# Altium PCB MCU036A_MSP-EXP430FR2355_PCB.PcbDoc (part 2 of 2)
Units mil, origin at the board's own origin, x right, y up, seen from the top; angles counter-clockwise.
Board outline 2300 x 2900 mil, 4 copper layers (Top Layer, VCC Layer, GND Layer, Bottom Layer), stack 62.4 mil thick; 140 components, 113 nets, 453 pads, 278 vias.
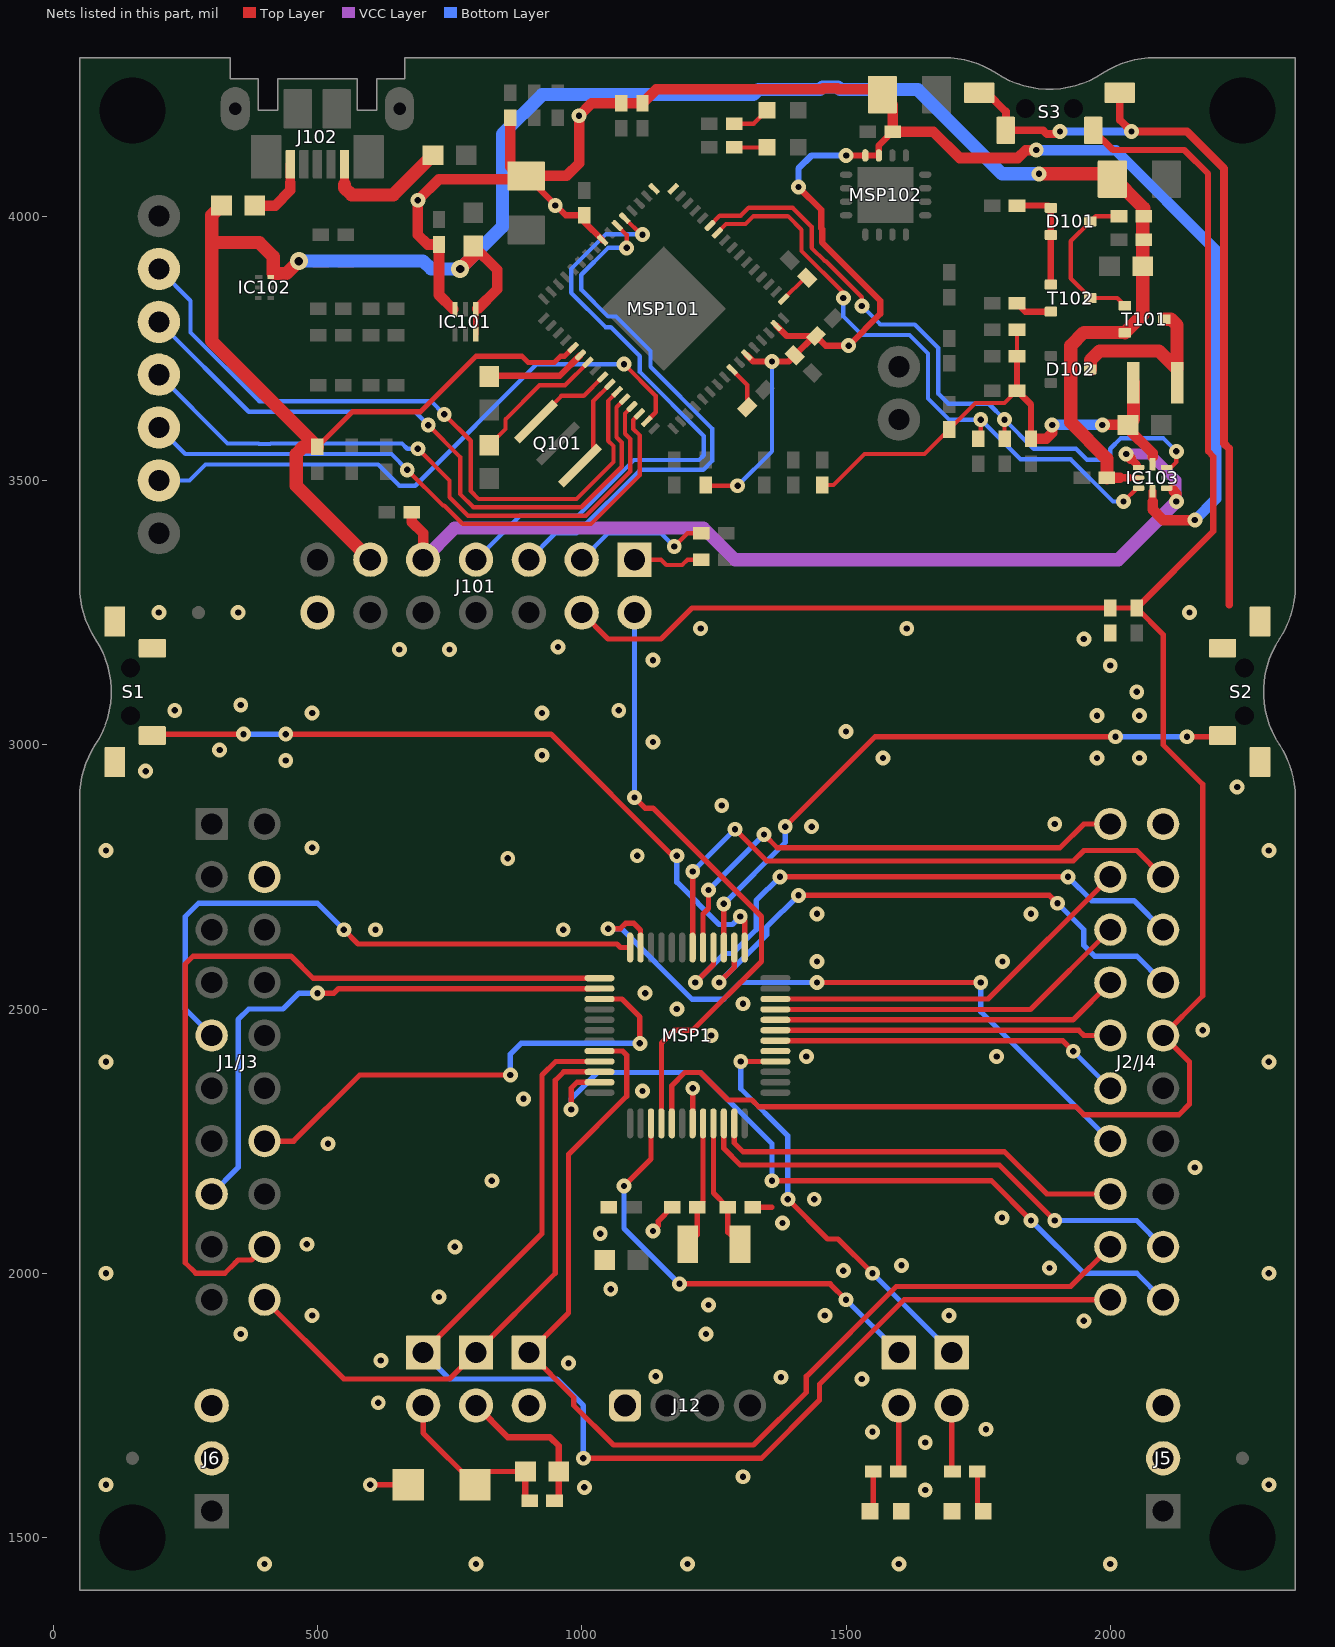
[diagram p4: the nets of this part, all layers, seen from the top]

## Via types
v1: diameter 28, hole 12, Top Layer to Bottom Layer, 275 vias
v2: diameter 34, hole 16, Top Layer to Bottom Layer, 2 vias
v3: diameter 32, hole 16, Top Layer to Bottom Layer, 1 vias

## Nets (pads, with @x,y where several pads share a name; then routed paths per layer and width w, separated by ;. In a path a pad name is that pad's centre, name@x,y a point inside that pad or via, vN(x,y) a via of type N, cw(c..) or ccw(c..) an arc to the next point about the centre after c; other vN are vias at no path point) (continued)
EZFET_TCK: MSP101.63 TP106.1 | length 1144.1
  Top Layer w8: v1(1080,3720) 1140,3660 1140,3629 MSP101.63@1123.01,3612.01
  Bottom Layer w8: TP106.1@200,3500 258,3500 288,3530 615,3530 655,3490 685,3490 915,3720 v1(1080,3720)
EZFET_TDI: MSP101.61 TP104.1 | length 1189
  Top Layer w8: v1(690,3560) 750,3500 750,3468.25 785,3433.25 1008.25,3433.25 1091.75,3516.75 1091.75,3578.25 1081.75,3588.25 1081.75,3626.44 MSP101.61@1095.16,3639.86
  Bottom Layer w8: TP104.1@200,3700 330,3570 388.41,3570 389.28,3569.13 410.72,3569.13 411.59,3570 660,3570 670,3560 v1(690,3560)
EZFET_TDO: MSP101.60 TP103.1 | length 1232.5
  Top Layer w8: v1(709.63,3604.63) 770,3544.27 770,3474.13 795,3449.13 999.13,3449.13 1075.87,3525.87 1075.87,3571.58 1065.87,3581.58 1065.87,3638.41 MSP101.60@1081.24,3653.78
  Bottom Layer w8: TP103.1@200,3800 370,3630 684.27,3630 v1(709.63,3604.63)
EZFET_TEST: MSP101.59 TP102.1 | length 1304
  Top Layer w8: v1(740,3625) 790,3575 790,3480 805,3465 990,3465 1060,3535 1060,3565 1050,3575 1050,3650.39 MSP101.59@1067.32,3667.7
  Bottom Layer w8: TP102.1@200,3900 260,3840 260,3780 390,3650 715,3650 v1(740,3625)
EZFET_TMS: MSP101.62 TP105.1 | length 1149.8
  Top Layer w8: v1(670,3520) 737.62,3452.38 740,3452.38 775,3417.38 1017.38,3417.38 1110,3510 1110,3585 1097.62,3597.38 1097.62,3614.47 MSP101.62@1109.09,3625.93
  Bottom Layer w8: TP105.1@200,3600 250,3550 640,3550 v1(670,3520)
EZFET_UARTCTS: MSP101.32
EZFET_UARTRTS: MSP101.33
EZFET_UARTRXD: J101.5 MSP101.38 | length 1044.5
  Top Layer w8: MSP101.38@1067.31,3982.29 1085,3964.6 v1(1085,3940)
  Bottom Layer w8: J101.5@900,3350 950,3400 990,3400 1110,3520 1230,3520 1246.81,3536.81 1246.81,3598.19 1130,3715 1130,3745 1065,3810 1050,3810 999.13,3860.87 999.13,3889.13 1050,3940 v1(1085,3940)
EZFET_UARTTXD: J101.7 MSP101.37 | length 1191.5
  Top Layer w8: MSP101.37@1081.23,3996.21 v1@1113.72,3963.72 ; v1(1115,3965) v1@1113.72,3963.72 ; v1@1113.72,3963.72 1115,3962.44 1112.44,3962.44 v1@1113.72,3963.72
  Bottom Layer w8: J101.7@800,3350 883.25,3433.25 993.25,3433.25 1098.62,3538.62 1221.97,3538.62 1230.87,3547.53 1230.87,3584.13 1110,3705 1110,3735 1055,3790 1045,3790 980,3855 980,3900 1045.87,3965.87 1114.13,3965.87 v1(1115,3965)
EZFET_V18: C102.2 MSP101.55 | length 262.5
  Top Layer w8: C102.2@825,3566.5 855.57,3597.07 855.57,3615.57 920,3680 968.23,3680 MSP101.55@1011.62,3723.39
EZFET_VBUS: C108.2 C109.1 C117.2 C118.2 C125.2 IC101.1 IC101.6 IC102.6 IC103.2 J101.11 L103.2 MSP101.53 R120.2 R124.1 T101.2 | length 4542.3
  Top Layer w10: R124.1@500,3563.62 566.38,3630 695,3630 800,3735 886.99,3735 898.87,3723.13 948.13,3723.13 960,3735 967.54,3735 MSP101.53@983.78,3751.24 ; IC101.6@799.68,3776.38 IC101.1@799.68,3824.41 ; 2035,3505 IC103.2@2053.43,3505
  Top Layer w15: 2018,3505 2035,3505
  Top Layer w20: C108.2@795,3943.5 840,3898.5 840,3861.61 IC101.1@802.8,3824.41 ; C125.2@1993.62,3505 2018,3505
  Top Layer w25: L103.2@318.5,4020 300,4001.5 300,3950 ; v2(465,3915) 441.37,3891.37 416.44,3891.37 416.44,3923.56 390,3950 300,3950 ; J101.11@600,3350 460,3490 460,3550 473.62,3563.62 R124.1@500,3563.62 300,3763.62 300,3950 ; v2(770,3900) 795,3925 C108.2@795,3943.5 ; v1(1865,4080) 1998.82,4080 2063.62,4015.2 R120.2@2063.62,4000 ; C125.2@1993.62,3505 1993.62,3541.38 1925,3610 1925,3755 1950,3780 T101.2@2027.01,3780 ; T101.2@2027.6,3779.41 2061.5,3813.31 C117.2@2061.5,3905 R120.2@2061.5,4002.13
  Bottom Layer w25: v2(465,3915) 700,3915 715,3900 v2(770,3900) 850,3980 850,4155 925,4230 1325,4230 1334.37,4239.37 1450.76,4239.37 1455.76,4244.37 1484.24,4244.37 1489.24,4239.37 1635.63,4239.37 1795,4080 v1(1865,4080)
EZFET_VCC: C103.2 C104.1 C105.2 C106.1 C113.2 C114.2 C124.2 IC101.3 IC103.4 MSP101.11 MSP101.15 MSP101.40 MSP102.15 MSP102.16 R109.1 R114.1 R116.1 R117.1 | length 4300.1
  Top Layer w8: R109.1@1236.38,3490 v1(1295,3490)
  Top Layer w12: C104.1@895,4076.18 969.8,4001.38 C103.2@1005,4001.38 ; C103.2@1005,3988.92 MSP101.40@1039.47,3954.45 ; MSP101.11@1312.29,3737.31 1324.6,3725 v1(1360,3725) 1391.59,3725 C114.2@1403.3,3736.7 C113.2@1439.89,3773.3 ; MSP101.15@1367.97,3792.99 1387.66,3773.3 C113.2@1439.89,3773.3 ; v1(1410,4055) 1452.87,4012.13 1452.87,3977.13 1455,3975 1455,3950 1565,3840 1565,3815 v1(1505,3755) 1461.59,3755 C113.2@1443.3,3773.3 C113.2@1439.89,3773.3 ; v1(1500.2,4114.8) MSP102.16@1536.61,4114.8 MSP102.15@1562.2,4114.8 1562.2,4133.58 C124.2@1588.62,4160
  Top Layer w15: 2080,3460 IC103.4@2080,3479.41
  Top Layer w20: IC101.3@757.2,3823.62 730,3850.83 C105.2@730,3946.38 708.62,3946.38 690,3965 v1(690,4030) 730,4070 C104.1@888.82,4070 ; R114.1@865,4186.38 865,4093.82 C104.1@888.82,4070 ; v1(1860,4125) 1840,4125 1825,4110 1715,4110 1665,4160 C124.2@1588.62,4160 1588.62,4210.2 C106.1@1568.82,4230 1558.82,4240 1485.08,4240 1483.2,4241.87 1456.8,4241.87 1454.92,4240 1141.38,4240 R116.1@1115,4213.62 R117.1@1075,4213.62 1018.62,4213.62 v1(995,4190) 995,4100 971.18,4076.18 C104.1@895,4076.18 C104.1@888.82,4070 ; 2080,3460 2080,3445 2100,3425 v1(2160,3425)
  Bottom Layer w8: v1(1295,3490) 1360,3555 v1(1360,3725)
  Bottom Layer w12: v1(1410,4055) 1410,4090 1434.8,4114.8 v1(1500.2,4114.8)
  Bottom Layer w20: v1(1860,4125) 2010,4125 2200,3935 2200,3465 v1(2160,3425)
  other v1: 950,4020
EZFET_VCCEN1: IC103.3 MSP101.26 R107.2 | length 1182.1
  Top Layer w8: MSP101.26@1256.61,3968.38 1273.23,3985 1310,3985 1325,4000 1390,4000 1415.87,3974.13 1415.87,3934.13 1495,3855 v1(1495,3845) ; R107.2@1750,3578.62 1755,3583.62 v1(1755,3615) ; v1(2025,3460) 2050,3485 2053.11,3485 IC103.3@2053.43,3485.31
  Bottom Layer w8: v1(1495,3845) 1495,3810 1530,3775 1620,3775 1655,3740 1655,3655 1695,3615 v1(1755,3615) 1830,3540 1925,3540 2005,3460 v1(2025,3460)
EZFET_VCCEN2: IC103.7 MSP101.27 R108.2 | length 1289.7
  Top Layer w8: MSP101.27@1242.68,3982.3 1261.26,4000.87 1300.87,4000.87 1315.87,4015.87 1399.13,4015.87 1435,3980 1435,3940 1460,3915 1461.59,3915 1530,3846.59 v1(1530,3830) ; R108.2@1800,3578.62 v1(1800,3615) ; IC103.7@2106.57,3524.69 2114.68,3524.69 2125,3535 v1(2125,3555)
  Bottom Layer w8: v1(1530,3830) 1565,3795 1630,3795 1674.5,3750.5 1674.5,3664.12 1693.62,3645 1770,3645 v1(1800,3615) 1855,3560 1935,3560 1955.87,3539.13 1989.13,3539.13 2000,3550 2000,3560 2020,3580 2100,3580 v1(2125,3555)
EZFET_VCCOUT: C119.2 C120.2 IC103.8 L101.2 R112.1 R121.1 R126.2 R127.2 R128.1 | length 1041
  Top Layer w8: R121.1@1455,3491.38 1476.38,3491.38 1535,3550 1648.62,3550 R112.1@1695,3596.38 1744.94,3646.31 1799.94,3646.31 R127.2@1823.62,3670 ; R128.1@1823.62,3735 R126.2@1823.62,3785
  Top Layer w10: IC103.8@2080,3530.59 2080,3545
  Top Layer w12: R128.1@1823.62,3735 R127.2@1823.62,3670 1850,3643.62 C120.2@1850,3578.62
  Top Layer w20: C120.2@1850,3578.62 1878.62,3578.62 1890,3590 v1(1890,3605) ; v1(1985,3605) C119.2@2033.5,3605 2033.5,3597.95 2080,3551.46 2080,3545
  Top Layer w25: C119.2@2033.5,3605 2043.66,3615.16 L101.2@2043.66,3685
  Bottom Layer w20: v1(1890,3605) v1(1985,3605)
EZFET_VCCTARGET: C127.1 IC103.1 IC103.5 J101.9 | length 1845.7
  Top Layer w8: IC103.5@2106.57,3485.31 IC103.5@2114.68,3485.31
  Top Layer w12: 2050,3530 IC103.1@2053.43,3526.57 ; IC103.5@2114.68,3485.31 2120,3480
  Top Layer w15: v1@2038.58,3541.42 2050,3530
  Top Layer w20: C127.1@678.62,3440 678.62,3421.38 700,3400 J101.9@700,3350 ; v1(2030,3550) v1@2038.58,3541.42 ; 2120,3480 2125,3475 v1(2125,3460)
  VCC Layer w20: v1(2030,3550) 2075,3550 2125,3500 v1(2125,3460)
  VCC Layer w25: J101.9@700,3350 760,3410 1230,3410 1290,3350 2015,3350 v1(2125,3460)
EZFET_VREF: C121.2 MSP101.9 | length 83.1
  Top Layer w8: MSP101.9@1284.45,3709.47 1313.3,3680.62 C121.2@1313.3,3638.3
EZFET_VUSB: C107.2 MSP101.54 | length 189.6
  Top Layer w12: C107.2@825,3696.5 826.38,3697.87 958.26,3697.87 MSP101.54@997.7,3737.32
GND: C1.2 C2.2 C3.2 C4.2 C5.1 D1.2 J1/J3.22 J2/J4.20 J5.2 J5.3 J6.2 J6.3 J9.2 J12.1 J101.14 LED1.2 LED2.2 MSP1.7 S1.1 S1.2 S1.3 S2.1 S2.2 S2.4 S3.1 S3.2 S3.4 | length 1711.2
  Top Layer w10: v1(600,1600) D1.2@687.01,1600 ; v1(1135,2080) 1145,2090 1145,2098.62 C3.2@1171.38,2125 ; MSP1.7@1209.84,2283.66 v1@1209.84,2349.84 ; C2.2@1323.62,2125 1360,2125
  Top Layer w15: S3.2@1752.13,4233.31 1766.69,4233.31 1802.32,4197.68 S3.4@1802.32,4162.44 1872.56,4162.44 1880,4155 1905,4155 v1(1905,4160) ; S3.1@2017.87,4233.31 2017.87,4182.13 v1(2040,4160) 2145,4160 2215,4090 2215,3570 2225,3560 2225,3265
  Bottom Layer w15: v1(1905,4160) v1(2040,4160)
  other v1: 400,1450 800,1450 1200,1450 1600,1450 2000,1450 1650,1590 1005,1595 100,1600 2300,1600 1305,1615 1650,1680 1550,1700 1765,1705 615,1755 1530,1800 1377.17,1803.15 1140,1805 975,1830 620,1835 355,1885 1235,1885 1950,1910 490,1920 1460,1920 1695,1920 1240,1940 730,1955 1055,1970 100,2000 2300,2000 1495,2005 1885,2010 1605,2015 760,2050 480,2055 1035,2075 1380,2095 1795,2105 1440,2140 830,2175 2160,2200 520,2245 890,2330 1115,2345 1210,2350 100,2400 2300,2400 1425,2410 1785,2410 1245,2450 2175,2460 1180,2500 1305,2510 1120,2530 1445,2590 1796,2590 610,2650 965,2650 1445,2680 1850,2680 860,2785 1105,2790 100,2800 2300,2800 490,2805 1435,2845 1895,2850 1265,2885 2240,2920 175,2950 440,2970 1570,2975 1975,2975 2055,2975 925,2980 315,2990 1135,3005 1500,3025 1975,3055 2055,3055 490,3060 925,3060 230,3065 1070,3065 355,3075 2050,3100 2000,3150 1135,3160 655,3180 750,3180 955,3185 1950,3200 1225,3220 1615,3220 200,3250 350,3250 2150,3250
NetC6_1: C6.1 J8.2 R3.2 | length 283.8
  Top Layer w12: J8.2@800,1750 860,1690 940,1690 956.5,1673.5 R3.2@956.5,1625 C6.1@956.5,1577.87
NetC6_2: C6.2 D1.1 J7.2 R3.1 | length 343.6
  Top Layer w10: J7.2@700,1750 700,1697.99 D1.1@797.99,1600 822.99,1625 R3.1@893.5,1625
  Top Layer w12: C6.2@893.5,1577.87 R3.1@893.5,1625
NetC101_2: C101.2 MSP101.17 | length 61.5
  Top Layer w8: MSP101.17@1381.91,3843.07 1422.14,3883.3 C101.2@1426.7,3883.3
NetD101_1: D101.1 D101.2 R118.1 T102.1 | length 210.8
  Top Layer w12: R118.1@1823.62,4020 1883.19,4020 D101.1@1887.6,4015.59 T102.1@1887.6,3870.59
NetD101_3: D101.3 R120.1 T101.1 T102.3 | length 305.3
  Top Layer w8: R120.1@2016.38,4000 1972.4,4000 D101.3@1962.4,3990 1925,3952.6 1925,3882.4 T102.3@1962.4,3845 2013.19,3845 T101.1@2027.6,3830.59
NetD102_3: D102.3 L101.1 T101.3 | length 314.6
  Top Layer w25: D102.3@1962.4,3710 1962.4,3727.4 1980,3745 2091.93,3745 2126.34,3710.59 2126.34,3793.66 2115,3805 T101.3@2102.4,3805
NetJ10_2: J10.2 R2.2 | length 123.6
  Top Layer w10: R2.2@1600,1626.38 J10.2@1600,1750
NetJ11_2: J11.2 R6.2 | length 123.6
  Top Layer w10: R6.2@1700,1626.38 J11.2@1700,1750
NetJ101_1: J101.1 R129.2 | length 134.7
  Top Layer w8: J101.1@1100,3350 1150,3350 1160,3340 1190,3340 1200,3350 R129.2@1226.38,3350
NetJ101_3: J101.3 R130.2 | length 267.8
  Top Layer w8: v1(1175,3375) 1200,3400 R130.2@1226.38,3400
  Bottom Layer w8: J101.3@1000,3350 1050,3400 1150,3400 v1(1175,3375)
NetJ102_1: J102.1 L103.1 | length 128.6
  Top Layer w17.5: 448.79,4065.06 J102.1@448.82,4098.19
  Top Layer w18: 448.79,4063.64 448.79,4065.06
  Top Layer w20: L103.1@381.5,4020 420,4020 448.79,4048.79 448.79,4063.64
NetJ102_5: J102.5 L102.1 | length 243.2
  Top Layer w17.5: 551.18,4065.39 J102.5@551.18,4098.19
  Top Layer w25: 551.21,4060.11 551.21,4053.79 565,4040 643.5,4040 L102.1@718.5,4115
NetLED1_1: LED1.1 R2.1 | length 69.1
  Top Layer w10: LED1.1@1551.38,1555.91 R2.1@1551.38,1625
NetLED2_1: LED2.1 R6.1 | length 64.1
  Top Layer w10: LED2.1@1748.62,1560.91 R6.1@1748.62,1625
NetLED101_1: LED101.1 R101.1 | length 61.9
  Top Layer w8: R101.1@1288.62,4130 LED101.1@1350.47,4130
NetLED102_1: LED102.1 R102.1 | length 72.2
  Top Layer w8: R102.1@1288.62,4175 1325.47,4175 LED102.1@1350.47,4200
NetMSP101_57: MSP101.57 Q101.1 | length 160.9
  Top Layer w8: Q101.1@913.24,3611.76 961.48,3660 1003.92,3660 MSP101.57@1039.47,3695.55
NetMSP101_58: MSP101.58 Q101.3 | length 176.8
  Top Layer w8: Q101.3@996.76,3528.24 1021.81,3553.3 1021.81,3650.04 MSP101.58@1053.39,3681.62
NetR119_2: R119.2 T102.2 | length 70.4
  Top Layer w12: R119.2@1823.62,3835 1839.21,3819.41 T102.2@1887.6,3819.41
OA2+: J2/J4.32 J9.1 MSP1.44 | length 2048.2
  Top Layer w10: MSP1.44@1033.66,2420.47 1077.48,2420.47 1085,2412.95 1085,2335 975,2225 975,1925 J9.1@900,1850 985,1765 985,1750 1060,1675 1325,1675 1425,1775 1425,1805 1595,1975 1925,1975 J2/J4.32@2000,2050
OA2-: J2/J4.31 J7.1 MSP1.45 | length 2320.8
  Top Layer w10: J7.1@700,1850 925,2075 925,2375 950.79,2400.79 MSP1.45@1033.66,2400.79 ; v1(1003.15,1650) 1340,1650 1450,1760 1450,1790 1610,1950 J2/J4.31@2000,1950
  Bottom Layer w10: J7.1@700,1850 750,1800 953.15,1800 1003.15,1750 v1(1003.15,1650)
OA2O: J1/J3.30 J8.1 MSP1.46 | length 1150.3
  Top Layer w10: J1/J3.30@400,1950 550,1800 750,1800 J8.1@800,1850 950,2000 950,2365 966.1,2381.1 MSP1.46@1033.66,2381.1
OA3O: J1/J3.29 MSP1.37 | length 1551.2
  Top Layer w10: J1/J3.29@400,2050 375,2025 350,2025 345,2020 344.72,2020 324.72,2000 270,2000 250,2020 250,2585 265,2600 450,2600 491.73,2558.27 MSP1.37@1033.66,2558.27
P1.0: J10.1 MSP1.3 | length 837.2
  Top Layer w10: v1(1080,2165) 1131.1,2216.1 MSP1.3@1131.1,2283.66 ; v1(1185,1980) 1470,1980 v1(1500,1950)
  Bottom Layer w10: v1(1080,2165) 1080,2085 v1(1185,1980) ; v1(1500,1950) J10.1@1600,1850
P2.0: J2/J4.19 MSP1.30 | length 1120.7
  Top Layer w10: MSP1.30@1209.84,2616.34 1209.84,2729.84 1210,2730 v1(1210,2760) ; v1(1290,2840) 1350,2780 1930,2780 1950,2800 2050,2800 J2/J4.19@2100,2750
  Bottom Layer w10: v1(1210,2760) v1(1290,2840)
P2.1: J2/J4.40 MSP1.29 | length 945.5
  Top Layer w10: MSP1.29@1229.53,2616.34 1229.53,2680 1240,2690.47 v1(1240,2725) ; v1(1345,2830) 1370,2805 1905,2805 1950,2850 J2/J4.40@2000,2850
  Bottom Layer w10: v1(1240,2725) v1(1345,2830)
P2.2: J2/J4.18 MSP1.28 | length 1122
  Top Layer w10: v1(1215,2550) 1249.21,2584.21 MSP1.28@1249.21,2616.34 ; v1(1375,2750) v1(1920,2750)
  Bottom Layer w10: v1(1215,2550) 1270,2605 1285,2605 1330,2650 1330,2705 v1(1375,2750) ; v1(1920,2750) 1965,2705 2045,2705 J2/J4.18@2100,2650
P2.3: MSP1.27 S2.3 | length 1173.6
  Top Layer w10: v1(1268.9,2698.9) MSP1.27@1268.9,2616.34 MSP1.27@1269.8,2617.24 ; v1(1385,2845) 1555,3015 v1(2010,3015) ; v1(2145,3015) S2.3@2210.12,3015
  Bottom Layer w10: v1(1268.9,2698.9) 1385,2815 v1(1385,2845) ; v1(2010,3015) v1(2145,3015)
P2.4: J2/J4.33 MSP1.11 | length 788.6
  Top Layer w10: MSP1.11@1288.58,2283.66 1288.58,2246.42 1305,2230 1800,2230 1880,2150 J2/J4.33@2000,2150
P2.5: J2/J4.12 MSP1.10 | length 955.7
  Top Layer w10: MSP1.10@1268.9,2283.66 1268.9,2236.1 1300,2205 1790,2205 v1(1895,2100)
  Bottom Layer w10: v1(1895,2100) 2050,2100 J2/J4.12@2100,2050
P2.6: C2.1 MSP1.9 Q1.2 | length 249.4
  Top Layer w10: MSP1.9@1249.21,2283.66 1249.21,2152.17 C2.1@1276.38,2125 1276.38,2077.83 Q1.2@1299.21,2055
P2.7: C3.1 MSP1.8 Q1.1 | length 240.6
  Top Layer w10: Q1.1@1200.79,2055 1218.62,2072.83 C3.1@1218.62,2125 1229.53,2135.91 MSP1.8@1229.53,2283.66
P3.0: J2/J4.11 MSP1.47 | length 1478.2
  Top Layer w10: v1(980,2310) 980,2350 991.42,2361.42 MSP1.47@1033.66,2361.42 ; v1(1360,2175) 1775,2175 v1(1850,2100)
  Bottom Layer w10: v1(980,2310) 980,2330 1030,2380 1225,2380 1360,2245 v1(1360,2175) ; v1(1850,2100) 1950,2000 2050,2000 J2/J4.11@2100,1950
P3.4: J1/J3.8 MSP1.38 | length 1058.6
  Top Layer w10: v1(500,2530) 531.42,2530 540,2538.58 MSP1.38@1033.66,2538.58
  Bottom Layer w10: J1/J3.8@300,2150 350,2200 350,2480 370,2500 435,2500 465,2530 v1(500,2530)
P3.6: J1/J3.5 MSP1.36 | length 1132.5
  Top Layer w10: v1(550,2650) 576.87,2623.13 1066.87,2623.13 1073.66,2616.34 MSP1.36@1091.73,2616.34
  Bottom Layer w10: J1/J3.5@300,2450 250,2500 250,2675 275,2700 500,2700 v1(550,2650)
P3.7: J2/J4.34 MSP1.35 | length 1281.6
  Top Layer w10: v1@1048,2650 v1(1050,2652) 1073,2652 1083,2662 1099,2662 1111.42,2649.58 MSP1.35@1111.42,2616.34 ; v1(1445,2550) v1(1755,2550)
  Bottom Layer w10: v1(1050,2652) 1074.99,2652 1208.49,2518.5 1268.5,2518.5 1300,2550 v1(1445,2550) ; v1(1755,2550) 1755,2495 J2/J4.34@2000,2250
P4.0: J2/J4.17 MSP1.26 | length 1081.2
  Top Layer w10: v1(1260,2550) 1288.58,2578.58 MSP1.26@1288.58,2616.34 ; v1(1410,2715) 1885,2715 v1(1900,2700)
  Bottom Layer w10: v1(1260,2550) 1349.86,2639.86 1349.86,2654.86 v1(1410,2715) ; v1(1900,2700) 1950,2650 1950,2620 1970,2600 2050,2600 J2/J4.17@2100,2550
P4.1: MSP1.25 S1.4 | length 1360.3
  Top Layer w10: S1.4@187.56,3017.32 190.24,3020 v1(360,3020) ; v1(440,3020) 941.99,3020 1171.99,2790 v1(1180,2790) ; v1(1300,2675) 1308.27,2666.73 MSP1.25@1308.27,2616.34
  Bottom Layer w10: v1(360,3020) v1(440,3020) ; v1(1180,2790) 1180,2740 1260,2660 1285,2660 v1(1300,2675)
P5.4: J1/J3.27 MSP1.39 | length 955.4
  Top Layer w10: J1/J3.27@400,2250 455,2250 580,2375 v1(865,2375) ; MSP1.39@1033.66,2518.9 1076.1,2518.9 1110,2485 v1(1110,2435) v1@1110,2430
  Bottom Layer w10: v1(865,2375) 865,2415 885,2435 v1(1110,2435)
P6.0: J2/J4.39 MSP1.22 | length 729.4
  Top Layer w10: MSP1.22@1366.34,2518.9 1768.9,2518.9 J2/J4.39@2000,2750
P6.1: J2/J4.38 MSP1.21 | length 696.1
  Top Layer w10: MSP1.21@1366.34,2499.21 1849.21,2499.21 J2/J4.38@2000,2650
P6.2: J2/J4.37 MSP1.20 | length 662.9
  Top Layer w10: MSP1.20@1366.34,2479.53 1929.53,2479.53 J2/J4.37@2000,2550
P6.3: J2/J4.36 MSP1.19 | length 637.7
  Top Layer w10: MSP1.19@1366.34,2459.84 1940.16,2459.84 1950,2450 J2/J4.36@2000,2450
P6.4: J2/J4.35 MSP1.18 | length 671
  Top Layer w10: MSP1.18@1366.34,2440.16 1909.84,2440.16 v1(1930,2420)
  Bottom Layer w10: v1(1930,2420) J2/J4.35@2000,2350
P6.5: MSP1.17
P6.6: J11.1 MSP1.16 | length 793.4
  Top Layer w10: v1(1300.79,2400.79) MSP1.16@1366.34,2400.79 ; v1(1390,2140) 1465,2065 1485,2065 v1(1550,2000)
  Bottom Layer w10: v1(1300.79,2400.79) 1300.79,2349.21 1390,2260 v1(1390,2140) ; v1(1550,2000) J11.1@1700,1850
R\S\T\: C1.1 J2/J4.16 J101.4 MSP1.5 R1.1 S3.3 | length 4377.1
  Top Layer w10: J101.4@1000,3250 1050,3200 1150,3200 1208.62,3258.62 C1.1@2000,3258.62 R1.1@2050,3258.62 2100,3208.62 2100,3000 2175,2925 2175,2525 J2/J4.16@2100,2450 2150,2400 2150,2320 2130,2300 1950,2300 1935,2315 1335,2315 1322.05,2327.95 1277.05,2327.95 1225,2380 1195,2380 1170.47,2355.47 MSP1.5@1170.47,2283.66
  Top Layer w12: S3.3@1967.68,4162.44 2005.12,4125 2140,4125 2185,4080 2185,3555 2195,3545 2195,3403.62 R1.1@2050,3258.62
SBWTCK: J101.2 MSP1.4 | length 1173.4
  Top Layer w10: v1(1100,2900) 1120,2880 1135,2880 1340,2675 1340,2590 1210,2460 1175,2460 1150.79,2435.79 MSP1.4@1150.79,2283.66
  Bottom Layer w10: v1(1100,2900) J101.2@1100,3250
pads on no net: FID1.1 FID2.1 FID3.1 IC101.4 IC101.5 IC102.2 J102.4 MH1.1 MH2.1 MH3.1 MH4.1 MSP101.3 MSP101.4 MSP101.10 MSP101.12 MSP101.13 MSP101.18 MSP101.19 MSP101.22 MSP101.23 MSP101.24 MSP101.25 MSP101.29 MSP101.30 MSP101.31 MSP101.36 MSP101.41 MSP101.42 MSP101.46 MSP101.47 MSP101.48 MSP101.65@1077.61,3825 MSP101.65@1116.3,3786.3 MSP101.65@1116.3,3863.7 MSP101.65@1155,3747.61 MSP101.65@1155,3825 MSP101.65@1155,3902.39 MSP101.65@1193.7,3786.3 MSP101.65@1193.7,3863.7 MSP101.65@1232.39,3825 S1. S2. S3. SH-J7.0 SH-J8.0 SH-J9.0 SH-J10.0 SH-J11.0 SH-J101-1.0 SH-J101-2.0 SH-J101-3.0 SH-J101-4.0 SH-J101-5.0 SH-J101-6.0 SH-J101-7.0
copper on no net:
  other v1: 890,3890 955,3955

## Polygon pours and split planes (outlines as drawn)
EZ_GND on GND Layer "EZ_GND-GND" (solid, remove dead copper, pour order 0): 50,4300 2350,4300 2350,3310 50,3310
GND on GND Layer "GND-GND" (solid, remove dead copper, pour order 10): 50,3290 2350,3290 2350,1400 50,1400
EZ_GND on Bottom Layer "EZ_GND-BOT" (solid, remove dead copper, pour order 4): 50,4300 2350,4300 2350,3310 50,3310
GND on Bottom Layer "GND-BOT" (solid, remove dead copper, pour order 17): 50,3290 2350,3290 2350,1400 50,1400
EZFET_VCC on VCC Layer "EZFET_VCC-VCC" (solid, remove dead copper, pour order 5): 50,4300 2350,4300 2350,3310 50,3310
3V3 on VCC Layer "3V3-VCC" (solid, remove dead copper, pour order 12): 50,3290 2350,3290 2350,1400 50,1400
EZ_GND on Top Layer "EZ_GND_USB_CONNECTION" (solid, remove dead copper, pour order 8): 695,4280 695,4150 750,4095 840,4095 840,4280
GND on Top Layer "GND-TOP" (solid, remove dead copper, pour order 16): 50,3290 2350,3290 2350,1400 50,1400

## Keep-outs
Keep-Out Layer:
  text ".Layer_Name" at 577,-858.49 h60

## Other copper
Top Layer:
  pour cut-out: 1030,3730 1075,3685 1075,3680 1050,3655 1050,3550 970,3470 850,3590 940,3680 980,3680
  pour cut-out: 1220,2315 1220,2225 1145,2150 1145,2045 1180,2010 1320,2010 1355,2045 1355,2145 1350,2150 1260,2240 1260,2315
  text ".Layer_Name" at 577,-858.49 h60
VCC Layer:
  pour cut-out: 1030,3730 1075,3685 1075,3680 1050,3655 1050,3550 970,3470 850,3590 940,3680 980,3680
  pour cut-out: 1220,2315 1220,2225 1145,2150 1145,2045 1180,2010 1320,2010 1355,2045 1355,2145 1350,2150 1260,2240 1260,2315
  text "MP" at 1880,2220 h40
  text ".Layer_Name" at 577,-858.49 h60
GND Layer:
  pour cut-out: 1030,3730 1075,3685 1075,3680 1050,3655 1050,3550 970,3470 850,3590 940,3680 980,3680
  pour cut-out: 1220,2315 1220,2225 1145,2150 1145,2045 1180,2010 1320,2010 1355,2045 1355,2145 1350,2150 1260,2240 1260,2315
  pour cut-out: 1861,2278.99 1861,2201 1965.65,2201 1965.64,2201 1965.64,2278.99
  text ".Layer_Name" at 577,-858.49 h60
Bottom Layer:
  pour cut-out: 1030,3730 1075,3685 1075,3680 1050,3655 1050,3550 970,3470 850,3590 940,3680 980,3680
  pour cut-out: 1220,2315 1220,2225 1145,2150 1145,2045 1180,2010 1320,2010 1355,2045 1355,2145 1350,2150 1260,2240 1260,2315
  text ".Layer_Name" at 577,-858.49 h60

## Silkscreen, mask and mechanical layers (free items; w line width, h text height)
Top Overlay:
  lines w10: 50,3300 150,3300 ; 250,3300 350,3300 ; 450,3300 550,3300 ; 600,1450 600,1500 ; 600,1550 600,1600 ; 600,1650 600,1700 ; 600,1750 600,1800 650,1800 ; 650,3300 750,3300 ; 850,3300 950,3300 ; 950,1800 1000,1800 ; 1050,3300 1150,3300 ; 1250,3300 1350,3300 ; 1450,3300 1550,3300 ; 1500,1450 1500,1500 ; 1500,1550 1500,1600 ; 1500,1650 1500,1700 ; 1500,1750 1500,1800 1550,1800 ; 1650,3300 1750,3300 ; 1750,1800 1800,1800 1800,1750 ; 1800,1450 1800,1500 ; 1800,1550 1800,1600 ; 1800,1650 1800,1700 ; 1850,3300 1950,3300 ; 2050,3300 2150,3300 ; 2250,3300 2350,3300
  text "MSP RST" at 1745,4090 h35
  text "'.PRJ_Number''.PCB_Rev'" at 2335,3905 h30 r90
  text "eZ-FET Debug Probe" at 1315,3330 h40
  text "Rev1.4" at 2045,3330 h30
  text "MSP-EXP430FR2355" at 2280,3320 h50 r90
  text "PCB Rev. .PCB_Rev" at 2334.71,3319.67 h30 r90
  text "P4.1" at 215,3080 h40
  text "P2.3" at 2045,3080 h40
  text "P2.1" at 1795,2830 h40
  text "P1.5" at 95,2730 h40
  text "P6.0" at 1795,2730 h40
  text "P2.0" at 2165,2730 h40
  text "P1.6" at 95,2630 h40
  text "P1.4" at 465,2630 h40
  text "P6.1" at 1795,2630 h40
  text "P2.2" at 2165,2630 h40
  text "P1.7" at 95,2530 h40
  text "P5.3" at 465,2530 h40
  text "P6.2" at 1795,2530 h40
  text "P4.0" at 2165,2530 h40
  text "P3.6" at 95,2430 h40
  text "P5.1" at 465,2430 h40
  text "P6.3" at 1795,2430 h40
  text "RST" at 2165,2430 h40
  text "P5.2" at 95,2330 h40
  text "P5.0" at 465,2330 h40
  text "P6.4" at 1795,2330 h40
  text "P4.6" at 2165,2330 h40
  text "P4.5" at 95,2230 h40
  text "P5.4" at 465,2230 h40
  text "P3.7" at 1795,2230 h40
  text "P4.7" at 2165,2230 h40
  text "P3.4" at 95,2130 h40
  text "P1.1" at 465,2130 h40
  text "P2.4" at 1795,2130 h40
  text "P4.4" at 2165,2130 h40
  text "P1.3" at 95,2030 h40
  text "P3.5" at 465,2030 h40
  text "P3.3" at 1795,2030 h40
  text "P2.5" at 2165,2030 h40
  text "P1.2" at 95,1930 h40
  text "P3.1" at 465,1930 h40
  text "P3.2" at 1795,1930 h40
  text "P3.0" at 2165,1930 h40
  text "P3.2" at 670,1915 h40 r45
  text "P3.1" at 770,1915 h40 r45
  text "P3.3" at 870,1915 h40 r45
  text "P1.0" at 1570,1915 h40 r45
  text "P6.6" at 1670,1915 h40 r45
  text "GND" at 1051.89,1815 h40 r45
  text "3.3V" at 1130.63,1815 h40 r45
  text "P1.4" at 1209.37,1815 h40 r45
  text "P1.1" at 1288.11,1815 h40 r45
  text "Light Sensor / Circuit" at 630,1415 h30
  text ".Layer_Name" at 577,-858.49 h60
Bottom Overlay:
  drawing of 4563 lines, arcs and shapes, not listed
  text "P2.1" at 1935,2830 h40
  text "P1.5" at 235,2730 h40
  text "P6.0" at 1935,2730 h40
  text "P2.0" at 2305,2730 h40
  text "P1.6" at 235,2630 h40
  text "P1.4" at 605,2630 h40
  text "P6.1" at 1935,2630 h40
  text "P2.2" at 2305,2630 h40
  text "P1.7" at 235,2530 h40
  text "P5.3" at 605,2530 h40
  text "P6.2" at 1935,2530 h40
  text "P4.0" at 2305,2530 h40
  text "P3.6" at 235,2430 h40
  text "P5.1" at 605,2430 h40
  text "P6.3" at 1935,2430 h40
  text "RST" at 2275,2430 h40
  text "P5.2" at 235,2330 h40
  text "P5.0" at 605,2330 h40
  text "P6.4" at 1935,2330 h40
  text "P4.6" at 2305,2330 h40
  text "P4.5" at 235,2230 h40
  text "P5.4" at 605,2230 h40
  text "P3.7" at 1935,2230 h40
  text "P4.7" at 2305,2230 h40
  text "P3.4" at 235,2130 h40
  text "P1.1" at 605,2130 h40
  text "P2.4" at 1935,2130 h40
  text "P4.4" at 2305,2130 h40
  text "P1.3" at 235,2030 h40
  text "P3.5" at 605,2030 h40
  text "P3.3" at 1935,2030 h40
  text "P2.5" at 2305,2030 h40
  text "P1.2" at 235,1930 h40
  text "P3.1" at 605,1930 h40
  text "P3.2" at 1935,1930 h40
  text "P3.0" at 2305,1930 h40
  text ".Layer_Name" at 577,-858.49 h60
Top Paste:
  text ".Layer_Name" at 577,-858.49 h60
Bottom Paste:
  text ".Layer_Name" at 577,-858.49 h60
Top Solder:
  text ".Layer_Name" at 577,-858.49 h60
  text ".Layer_Name" at 577,-858.49 h60
Bottom Solder:
  text ".Layer_Name" at 577,-858.49 h60
Drill Guide:
  text ".Layer_Name" at 577,-858.49 h60
M1 Board Outline:
  the board outline again, w10
  text ".Layer_Name" at 577,-858.49 h60
M2 Board Dimensions:
  rectangle: 125,-400 500,-275
  rectangle: 0,-275 125,-150
  lines w7: 0,-275 1000,-275 ; 125,-400 125,-150 ; 250,-400 250,-150 ; 500,-400 500,-150 ; 750,-400 750,-150 ; 0,-400 0,-150 1000,-150 1000,-400 0,-400
  lines w10: 1761,4303.98 1761,4361.98 1967,4567.98 2037.5,4567.98 ; 1885,4265.98 1885,4383.98 1969,4467.98 2045,4467.98 ; 2005,4303.98 2005,4357.98 2030,4382.98 2045,4382.98 ; 2030,4567.98 2045,4567.98 ; 2400,4302.98 2425,4327.98 2425,4617.98 2400,4642.98
  text "Radius 180" at 2065,4542.98 h72.83
  text "Radius 180" at 2065,4447.98 h72.83
  text "3 Places" at 2450,4447.98 h72.83
  text "Radius 180" at 2065,4357.98 h72.83
  text ".Layer_Name" at 577,-858.49 h60
M3 3D STEP Top:
  text ".Layer_Name" at 577,-858.49 h60
M4 3D STEP Bottom:
  text ".Layer_Name" at 577,-858.49 h60
M5 Assembly Top:
  lines w10: -292,-930.17 6308,-930.17 ; -292,-726.83 6310,-726.83 ; -292,-523.5 -292,-1133.5 3713,-1133.5 6310,-1133.5 6310,-523.5 -291.5,-523.5 -291.5,-1133.5 1284,-1133.5 ; 2173,-1133.5 2173,-523.5 ; 3440,-726.83 3440,-523.5 ; 4280,-726.83 4280,-523.5 ; 4902,-1140 4902,-937.17
  text "COMPONENTS MARKED 'DNP' SHOULD NOT BE POPULATED." at 1153.5,-318.5 h60
  text "ASSEMBLY VARIANT:" at 1153,-434 h60
  text ".VariantName" at 2189,-434 h60
  text "PCB VIEWED FROM TOP SIDE" at -228.5,-655.67 h60
  text "BOARD #:" at 2248,-655.67 h60
  text ".PRJ_Number" at 2793.5,-655.67 h60
  text "REV:" at 3638,-655.67 h60
  text ".PCB_Rev" at 3929.5,-655.67 h60
  text "SVN REV:" at 4476,-655.67 h60
  text ".VersionControl_RevNumber" at 4982,-655.67 h60
  text "TID #:" at 2248,-859 h60
  text ".TID" at 2793.5,-859 h60
  text "PLOT NAME =" at -228.5,-1064.34 h60
  text ".plot_File_Name" at 577,-1064.34 h60
  text "GENERATED    :" at 2250,-1064.34 h60
  text ".Print_Date" at 3119.5,-1064.34 h60
  text ".Print_Time" at 3848.5,-1064.34 h60
  text "TEXAS INSTRUMENTS" at 5113,-1064.34 h60
M6 Assembly Bottom:
  lines w10: -292.5,-727.33 6309.5,-727.33 ; -290.5,-930.67 6309.5,-930.67 ; 1115.5,-1140.5 1115.5,-937.67 ; 1737.5,-727.33 1737.5,-524 ; 2577.5,-727.33 2577.5,-524 ; 3844.5,-1134 3844.5,-524 ; 4733.5,-1134 6309,-1134 6309,-524 -292.5,-524 -292.5,-1134 2304.5,-1134 6309.5,-1134 6309.5,-524
  text "COMPONENTS MARKED 'DNP' SHOULD NOT BE POPULATED." at 6102,-318 h60
  text ".VariantName" at 5058,-434 h60
  text "ASSEMBLY VARIANT:" at 6097,-434 h60
  text ".VersionControl_RevNumber" at 1035.5,-656.17 h60
  text "SVN REV:" at 1541.5,-656.17 h60
  text ".PCB_Rev" at 2088,-656.17 h60
  text "REV:" at 2379.5,-656.17 h60
  text ".PRJ_Number" at 3224,-656.17 h60
  text "BOARD #:" at 3769.5,-656.17 h60
  text "PCB VIEWED FROM BOTTOM SIDE" at 6246,-656.17 h60
  text ".TID" at 3224,-859.5 h60
  text "TID #:" at 3769.5,-859.5 h60
  text "TEXAS INSTRUMENTS" at 904.5,-1064.84 h60
  text ".Print_Time" at 2169,-1064.84 h60
  text ".Print_Date" at 2898,-1064.84 h60
  text "GENERATED    :" at 3767.5,-1064.84 h60
  text ".plot_File_Name" at 5440.5,-1064.84 h60
  text "PLOT NAME =" at 6246,-1064.84 h60
M9 Title Sheet:
  drawing of 57 lines, arcs and shapes, not listed
  text "1" at 739.84,8036.5 h70
  text "2" at 3235.5,8036.5 h70
  text "3" at 5724.84,8036.5 h70
  text "4" at 8231.51,8036.5 h70
  text "5" at 10730.5,8036.5 h70
  text "6" at 13235.5,8036.5 h70
  text "A" at -416.5,6893.5 h70
  text "A" at 14383.5,6893.5 h70
  text "B" at -416.5,4513.5 h70
  text "B" at 14383.5,4513.5 h70
  text "C" at -416.5,2138.5 h70
  text "C" at 14383.5,2138.5 h70
  text "PROJECT TITLE:" at 11343.5,277.5 h45
  text ".PRJ_Title" at 11393.5,144.17 h70
  text "DESIGNED FOR:" at 11343.5,-23.5 h45
  text ".PRJ_Customer" at 11393.5,-163.5 h70
  text "D" at -416.5,-231.5 h70
  text "D" at 14383.5,-231.5 h70
  text "FILE NAME:" at 11343.5,-323.5 h45
  text ".PCB_File_Name_No_Path" at 11393.5,-443.5 h70
  text "Texas Instruments (TI) and/or its licensors do not warrant the accuracy or completeness of this specification" at 6374,-605.34 h45
  text "ENGINEER:" at 11343.5,-613.5 h45
  text "LAYOUT BY:" at 12848.5,-613.5 h45
  text "or any information contained therein. TI and/or its licensors do not warrant that this design will meet" at 6329.01,-718 h45
  text ".PRJ_Engineer" at 11393.5,-768.49 h70
  text ".PCB_Layout" at 12899,-768.49 h70
  text "the specifications, will be suitable for your application or fit for any particular purpose, or will operate in" at 6329.01,-830.67 h45
  text ".Layer_Name" at 577,-858.49 h60
  text "ALTIUM DESIGNER VERSION:" at 12848.5,-923.5 h45
  text "an implementation. TI and/or its licensors do not warrant that the design is production worthy. You should" at 6329.01,-943.33 h45
  text "completely validate and test your design implementation to confirm the system functionality for your application." at 6374,-1056 h45
  text ".print_Scale" at 11393.5,-1056.83 h70
  text ".Application_BuildNumber" at 12899,-1056.83 h70
  text "1" at 739.84,-1263.5 h70
  text "2" at 3235.5,-1263.5 h70
  text "3" at 5724.84,-1263.5 h70
  text "4" at 8231.51,-1263.5 h70
  text "5" at 10730.5,-1263.5 h70
  text "6" at 13235.5,-1263.5 h70
M10 Fab Notes:
  drawing of 173 lines, arcs and shapes, not listed
  text "DESIGN INFORMATION" at 12378.02,6201 h60
  text "MIN. TRACK WIDTH:" at 11733.46,6021 h60
  text "8" at 12829.7,6021 h60
  text "MIL" at 12984.46,6021 h60
  text "MIN. CLEARANCE:" at 11733.46,5889 h60
  text "0.2" at 12769.7,5889 h60
  text "mm" at 12984.46,5889 h60
  text "MIN. VIA PAD SIZE:" at 11733.46,5757 h60
  text "24" at 12799.71,5757 h60
  text "MIL" at 12984.46,5757 h60
  text "0.05mm (2MIL)" at 12428.46,5615.29 h60
  text "MINIMUM ANNULAR RING" at 11404.23,5611 h60
  text "EXTERNAL" at 13136.46,5611 h60
  text "PER" at 11604.23,5493 h60
  text "IPC-D-275 CLASS 2 LEVEL C" at 11824.23,5493 h60
  text "MIL, HOLES" at 13312.46,5380.71 h60
  text "+/-" at 12920,5380 h60
  text "+/-" at 13774,5380 h60
  text "REGISTRATION TOLERANCES:" at 11404.23,5375 h60
  text "METAL" at 12604,5375 h60
  text "5" at 13180.2,5375 h60
  text "3" at 14013.2,5375 h60
  text "MIL" at 14129.46,5375 h60
  text "+/-" at 13774,5262 h60
  text "HOLE SIZE TOLERANCE (UNLESS OTHERWISE SPECIFIED):" at 11404.23,5257 h60
  text "3" at 14013.2,5257 h60
  text "MIL" at 14129.46,5257 h60
  text "MATERIAL:" at 11329.46,5047.54 h60
  text "FR-4 High Tg" at 12315.9,4907.21 h60
  text "FR-408" at 11750.46,4898.64 h60
  text "OTHER" at 13238.46,4898.64 h60
  text "X" at 12161,4895 h60
  text "62 MIL (1.6mm) +/-10%" at 12070.56,4735.92 h60
  text "THICKNESS:" at 11404.23,4731.64 h60
  text "X" at 11942.4,4731.64 h60
  text "OTHER" at 13355.46,4731.64 h60
  text "TOLERANCE:" at 11404.23,4573.64 h60
  text "X" at 12243.53,4573.64 h60
  text "ANSI IPC-6012 TYPE 3 CLASS 2" at 12430.48,4573.64 h60
  text "OTHER +/-" at 12430.46,4417.64 h60
  text "BOW & TWIST:" at 11404.23,4260.64 h60
  text "X" at 12243.53,4260.64 h60
  text "ANSI IPC-6012 TYPE 3 CLASS 2" at 12430.48,4260.64 h60
  text "OTHER +/-" at 12430.46,4102.13 h60
  text "DRILLING:" at 11329.46,3963.64 h60
  text "REFERENCE:" at 11404.23,3846.64 h60
  text "X" at 12052.46,3846.64 h60
  text "AS SHOWN" at 12239.46,3846.64 h60
  text "X" at 12953.46,3846.64 h60
  text "NC_DRILL FILES" at 13090.46,3846.64 h60
  text "PTH COPPER THICKNESS:" at 11404.23,3688.64 h60
  text "X" at 12534.46,3688.64 h60
  text "20-30 um" at 12671.46,3688.64 h60
  text "OTHER" at 13388.46,3688.64 h60
  text "BOARD FINISH:" at 11329.46,3529.64 h60
  text "SILKSCREEN:" at 11484.68,3411.64 h60
  text "X" at 12433.46,3411.64 h60
  text "TOP" at 12559.46,3411.64 h60
  text "X" at 12943.46,3411.64 h60
  text "BOTTOM" at 13070.46,3411.64 h60
  text "SILKSCREEN COLOR:" at 11484.68,3244.64 h60
  text "X" at 12432.42,3244.64 h60
  text "WHITE" at 12559.46,3244.64 h60
  text "OTHER" at 13070.46,3244.64 h60
  text "GREEN" at 12690.46,3085.44 h60
  text "X" at 13155,3085 h60
  text "OTHER" at 13308.46,3085.44 h60
  text "Red" at 13705,3085 h60
  text "SOLDER RESIST COLOR:" at 11484.68,3074.64 h60
  text "X" at 12563.42,2915.44 h60
  text "MATTE" at 12690.46,2915.44 h60
  text "SEMI-GLOSS" at 13308,2914.8 h60
  text "IMMERSION GOLD (ENIG)" at 12390.46,2726.92 h60
  text "ENEPIG" at 13728,2723.64 h60
  text "SURFACE FINISH:" at 11329.46,2722.64 h60
  text "IMM. TIN/SILVER OR EQUIV" at 11659,2565.64 h60
  text "OTHER" at 13090.46,2565.64 h60
  text "X" at 11495,2565 h60
  text "ARRAY/PANEL:" at 11329.46,2386.64 h60
  text "CUT AND TRIM PER M1 BOARD OUTLINE" at 12390.46,2382.35 h60
  text "N.C. ROUTE" at 12390.46,2230.64 h60
  text "X" at 13069.46,2230.64 h60
  text "V. SCORE" at 13256.46,2230.64 h60
  text "CERTIFICATION:" at 11329.46,2093.64 h60
  text "MATERIALS AND WORKMANSHIP FOR ALL PCBS" at 12054.46,2093.64 h60
  text "TO MEET OR EXCEED THE REQUIREMENTS OF:" at 12054.46,1995.64 h60
  text "X" at 11680.96,1859.13 h60
  text "ANSI IPC-A-600F CLASS ->" at 11819.96,1859.13 h60
  text "X" at 13459.02,1859.13 h60
  text "2" at 13577.96,1859.14 h60
  text "1" at 13262.96,1857.64 h60
  text "3" at 13931.96,1857.64 h60
  text "X" at 12495.02,1699.64 h60
  text "RoHS" at 12631.96,1699.64 h60
  text "OTHER" at 13276.36,1699.64 h60
  text "PER ORDER" at 13673.42,1699.64 h60
  text "ALL BOARDS MUST MEET OR EXCEED UL94-V0 REQUIREMENTS." at 11357,1534 h60
  text "PCB MUST BEAR THE UL94V-0 UL REGISTERED MATERIAL ID NUMBER" at 11357,1414 h60
  text "ADDITIONAL REQUIREMENTS:" at 11329.46,1240.64 h60
  text "MICROSECTION:" at 11404.23,1125.64 h60
  text "YES" at 12309.96,1125.64 h60
  text "X" at 13635,970 h60
  text "REQUIRED" at 13171.46,969.49 h60
  text "BARE BOARD ELEC. TEST:" at 11404.23,966.64 h60
  text "NONE" at 12709.96,966.64 h60
  text "PER ORDER" at 13763.46,966.64 h60
  text ".Layer_Name" at 577,-858.49 h60
M11 Gerber Information:
  lines w10: -292,-930.17 6308,-930.17 ; -292,-726.83 6310,-726.83 ; -292,-523.5 -292,-1133.5 3713,-1133.5 6310,-1133.5 6310,-523.5 -291.5,-523.5 -291.5,-1133.5 1284,-1133.5 ; 2173,-1133.5 2173,-523.5 ; 3440,-726.83 3440,-523.5 ; 4280,-726.83 4280,-523.5 ; 4902,-1140 4902,-937.17
  text "ALL ARTWORK VIEWED FROM TOP SIDE" at -228.5,-655.67 h60
  text "BOARD #:" at 2248,-655.67 h60
  text ".PRJ_Number" at 2793.5,-655.67 h60
  text "REV:" at 3638,-655.67 h60
  text ".PCB_Rev" at 3929.5,-655.67 h60
  text "SVN REV:" at 4476,-655.67 h60
  text ".VersionControl_RevNumber" at 4982,-655.67 h60
  text "LAYER NAME =" at -228.5,-858.49 h60
  text "TID #:" at 2248,-859 h60
  text ".TID" at 2793.5,-859 h60
  text "PLOT NAME =" at -228.5,-1064.34 h60
  text ".plot_File_Name" at 577,-1064.34 h60
  text "GENERATED    :" at 2250,-1064.34 h60
  text ".Print_Date" at 3119.5,-1064.34 h60
  text ".Print_Time" at 3848.5,-1064.34 h60
  text "TEXAS INSTRUMENTS" at 5113,-1064.34 h60
M12 Stackup:
  drawing of 295 lines, arcs and shapes, not listed
  text "Layer" at 6132.5,5992.5 h60
  text "Name" at 6542.41,5992.5 h60
  text "Material" at 7472.16,5992.5 h60
  text "Thickness" at 8331.92,5992.5 h60
  text "Constant" at 8981.76,5992.5 h60
  text "Board Layer Stack" at 9551.62,5992.5 h60
  text "1" at 6132.5,5872.5 h60
  text "Top Overlay" at 6542.41,5872.5 h60
  text "2" at 6132.5,5752.5 h60
  text "Top Solder" at 6542.41,5752.5 h60
  text "Solder Resist" at 7472.16,5752.5 h60
  text "0.40mil" at 8331.92,5752.5 h60
  text "3.5" at 8981.76,5752.5 h60
  text "3" at 6132.5,5632.5 h60
  text "Top Layer" at 6542.41,5632.5 h60
  text "Copper" at 7472.16,5632.5 h60
  text "1.40mil" at 8331.92,5632.5 h60
  text "4" at 6132.5,5512.5 h60
  text "Dielectric 2" at 6542.41,5512.5 h60
  text "FR-4" at 7472.16,5512.5 h60
  text "8.40mil" at 8331.92,5512.5 h60
  text "4.2" at 8981.76,5512.5 h60
  text "5" at 6132.5,5392.5 h60
  text "VCC Layer" at 6542.41,5392.5 h60
  text "Copper" at 7472.16,5392.5 h60
  text "1.40mil" at 8331.92,5392.5 h60
  text "6" at 6132.5,5272.5 h60
  text "Dielectric1" at 6542.41,5272.5 h60
  text "FR-4" at 7472.16,5272.5 h60
  text "40.00mil" at 8331.92,5272.5 h60
  text "4.2" at 8981.76,5272.5 h60
  text "7" at 6132.5,5152.5 h60
  text "GND Layer" at 6542.41,5152.5 h60
  text "Copper" at 7472.16,5152.5 h60
  text "1.40mil" at 8331.92,5152.5 h60
  text "8" at 6132.5,5032.5 h60
  text "Dielectric 3" at 6542.41,5032.5 h60
  text "FR-4" at 7472.16,5032.5 h60
  text "8.40mil" at 8331.92,5032.5 h60
  text "4.2" at 8981.76,5032.5 h60
  text "9" at 6132.5,4912.5 h60
  text "Bottom Layer" at 6542.41,4912.5 h60
  text "Copper" at 7472.16,4912.5 h60
  text "1.40mil" at 8331.92,4912.5 h60
  text "10" at 6132.5,4792.5 h60
  text "Bottom Solder" at 6542.41,4792.5 h60
  text "Solder Resist" at 7472.16,4792.5 h60
  text "0.40mil" at 8331.92,4792.5 h60
  text "3.5" at 8981.76,4792.5 h60
  text "11" at 6132.5,4672.5 h60
  text "Bottom Overlay" at 6542.41,4672.5 h60
  text ".Layer_Name" at 577,-858.49 h60
M13 Component Bodies Top:
  text ".Layer_Name" at 577,-858.49 h60
M14 Component Bodies Bottom:
  text ".Layer_Name" at 577,-858.49 h60
M15 Courtyards Top:
  text ".Layer_Name" at 577,-858.49 h60
M16 Courtyards Bottom:
  text ".Layer_Name" at 577,-858.49 h60
Drill Drawing:
  circle w10: c6153.54,3693.94 r27.56
  circle w10: c6153.54,3197.83 r16.54
  circle w10: c6153.54,3197.83 r27.56
  lines w10: 6125.98,3101.36 6181.1,3101.36 6153.54,3046.24 6125.98,3101.36 ; 6125.98,3308.08 6139.76,3308.08 6153.54,3294.3 6167.32,3308.08 6181.1,3308.08 6167.32,3321.86 6181.1,3335.64 6167.32,3335.64 6153.54,3349.42 6139.76,3335.64 6125.98,3335.64 6139.76,3321.86 6125.98,3308.08 ; 6125.98,3418.32 6181.1,3418.32 6181.1,3473.44 6125.98,3473.44 6125.98,3418.32 ; 6125.98,3556.13 6139.76,3556.13 6153.54,3542.35 6167.32,3556.13 6181.1,3556.13 6167.32,3569.91 6181.1,3583.69 6167.32,3583.69 6153.54,3597.47 6139.76,3583.69 6125.98,3583.69 6139.76,3569.91 6125.98,3556.13 ; 6125.98,3804.18 6139.76,3804.18 6139.76,3790.4 6167.32,3790.4 6167.32,3804.18 6181.1,3804.18 6181.1,3831.74 6167.32,3831.74 6167.32,3845.52 6139.76,3845.52 6139.76,3831.74 6125.98,3831.74 6125.98,3804.18 ; 6125.98,3941.99 6153.54,3914.43 6181.1,3941.99 6153.54,3969.55 6125.98,3941.99 ; 6137,3090.34 6170.08,3090.34 6153.54,3057.27 6137,3090.34 ; 6137,3313.59 6145.27,3313.59 6153.54,3305.32 6161.81,3313.59 6170.08,3313.59 6161.81,3321.86 6170.08,3330.12 6161.81,3330.12 6153.54,3338.39 6145.27,3330.12 6137,3330.12 6145.27,3321.86 6137,3313.59
  lines w12: 6076,3009.03 9863.19,3009.03 ; 6076,4001.25 9863.19,4001.25 ; 6413.36,2885.01 6413.36,4125.27 ; 6745.06,2885.01 6745.06,4125.27 ; 7380.91,2885.01 7380.91,4125.27 ; 7639.71,2885.01 7639.71,4125.27 ; 8014.46,2885.01 8014.46,4125.27 ; 8737,2885.01 8737,4125.27 ; 9265.59,2885.01 9265.59,4125.27 ; 6076,2885.01 9863.19,2885.01 9863.19,4125.27 6076,4125.27 6076,2885.01
  text "Symbol" at 6150.42,4038.46 h72
  text "Quantity" at 6450.57,4038.46 h72
  text "Finished Hole Size" at 6782.26,4038.46 h72
  text "Plated" at 7418.12,4038.46 h72
  text "Hole Type" at 7676.92,4038.46 h72
  text "Drill Layer Pair" at 8051.67,4038.46 h72
  text "Hole Tolerance" at 8774.21,4038.46 h72
  text "Hole Length" at 9302.8,4038.46 h72
  text "6" at 6450.57,3914.43 h60
  text "35.43mil (0.900mm)" at 6782.26,3914.43 h60
  text "NPTH" at 7418.12,3914.43 h60
  text "Round" at 7676.92,3914.43 h60
  text "Top Layer - Bottom Layer" at 8051.67,3914.43 h60
  text "-" at 9302.8,3914.43 h60
  text "4" at 6450.57,3790.4 h60
  text "125.00mil (3.175mm)" at 6782.26,3790.4 h60
  text "NPTH" at 7418.12,3790.4 h60
  text "Round" at 7676.92,3790.4 h60
  text "Top Layer - Bottom Layer" at 8051.67,3790.4 h60
  text "-" at 9302.8,3790.4 h60
  text "275" at 6450.57,3666.38 h60
  text "12.00mil (0.305mm)" at 6782.26,3666.38 h60
  text "PTH" at 7418.12,3666.38 h60
  text "Round" at 7676.92,3666.38 h60
  text "Top Layer - Bottom Layer" at 8051.67,3666.38 h60
  text "-" at 9302.8,3666.38 h60
  text "3" at 6450.57,3542.35 h60
  text "16.00mil (0.406mm)" at 6782.26,3542.35 h60
  text "PTH" at 7418.12,3542.35 h60
  text "Round" at 7676.92,3542.35 h60
  text "Top Layer - Bottom Layer" at 8051.67,3542.35 h60
  text "-" at 9302.8,3542.35 h60
  text "39" at 6450.57,3418.32 h60
  text "40.00mil (1.016mm)" at 6782.26,3418.32 h60
  text "PTH" at 7418.12,3418.32 h60
  text "Round" at 7676.92,3418.32 h60
  text "Top Layer - Bottom Layer" at 8051.67,3418.32 h60
  text "-" at 9302.8,3418.32 h60
  text "40" at 6450.57,3294.3 h60
  text "40.16mil (1.020mm)" at 6782.26,3294.3 h60
  text "PTH" at 7418.12,3294.3 h60
  text "Round" at 7676.92,3294.3 h60
  text "Top Layer - Bottom Layer" at 8051.67,3294.3 h60
  text "-" at 9302.8,3294.3 h60
  text "4" at 6450.57,3170.27 h60
  text "41.34mil (1.050mm)" at 6782.26,3170.27 h60
  text "PTH" at 7418.12,3170.27 h60
  text "Round" at 7676.92,3170.27 h60
  text "Top Layer - Bottom Layer" at 8051.67,3170.27 h60
  text "-" at 9302.8,3170.27 h60
  text "2" at 6450.57,3046.24 h60
  text "23.62mil (0.600mm)" at 6782.26,3046.24 h60
  text "PTH" at 7418.12,3046.24 h60
  text "Slot" at 7676.92,3046.24 h60
  text "Top Layer - Bottom Layer" at 8051.67,3046.24 h60
  text "51.18mil (1.300mm)" at 9302.8,3046.24 h60
  text "373 Total" at 6450.57,2922.21 h60
  text "Slot definitions :" at 6150.42,2835.4 h60
  text "Routed Path Length" at 6599.86,2835.4 h60
  text "= Calculated from tool start centre position to tool end centre position." at 7138.21,2835.4 h60
  text "Hole Length" at 6599.86,2785.79 h60
  text "= Routed Path Length + Tool Size = Slot length as defined in the PCB layout" at 6938.91,2785.79 h60
  text ".Layer_Name" at 577,-858.49 h60
M17 Embedded Cavity:
  text ".Layer_Name" at 577,-858.49 h60
M18 Embedded Assembly:
  text ".Layer_Name" at 577,-858.49 h60
M19 Embedded Keepout:
  text ".Layer_Name" at 577,-858.49 h60

## Dimensions
0,-400 to 1000,-400 on M2 Board Dimensions
50,1400 to 2350,1400 on M2 Board Dimensions
50,1400 to 50,4300 on M2 Board Dimensions

## Text inside footprints (layer, text, board x,y; h text height)
"FCC Logo": Bottom Overlay "For evaluation only; not FCC approved for resale." at 1830,1470 h60
J1/J3: Top Overlay "21" at 380,2920 h30; Top Overlay "30" at 375,1850 h30; Top Overlay "1" at 295,2920 h30; Top Overlay "10" at 278,1850 h30; Top Overlay "J3" at 448.43,2920 h40; Top Overlay "J1" at 181.02,2920 h40
J2/J4: Top Overlay "40" at 1975,2920 h30; Top Overlay "31" at 1980,1850 h30; Top Overlay "11" at 2083,1850 h30; Top Overlay "20" at 2075,2920 h30; Top Overlay "J2" at 2148.43,2920 h40; Top Overlay "J4" at 1881.02,2920 h40
J101: Top Overlay "RXD<<" at 820,3005 h40 r90; Top Overlay "TXD>>" at 920,3005 h40 r90; Top Overlay "SBWTDIO" at 1020,2925 h40 r90; Top Overlay "SBWTCK" at 1120,2958 h40 r90